# Altium PCB BBB_ADC7_inputs_with_mux_Ver1 Rev1.PcbDoc (part 2 of 2)
Units mm, origin at the board's own origin, x right, y up, seen from the top; angles counter-clockwise.
Board outline 219.96 x 100 mm, 2 copper layers (TopLayer, BottomLayer), stack 1.571 mm thick; 181 components, 118 nets, 709 pads, 266 vias.
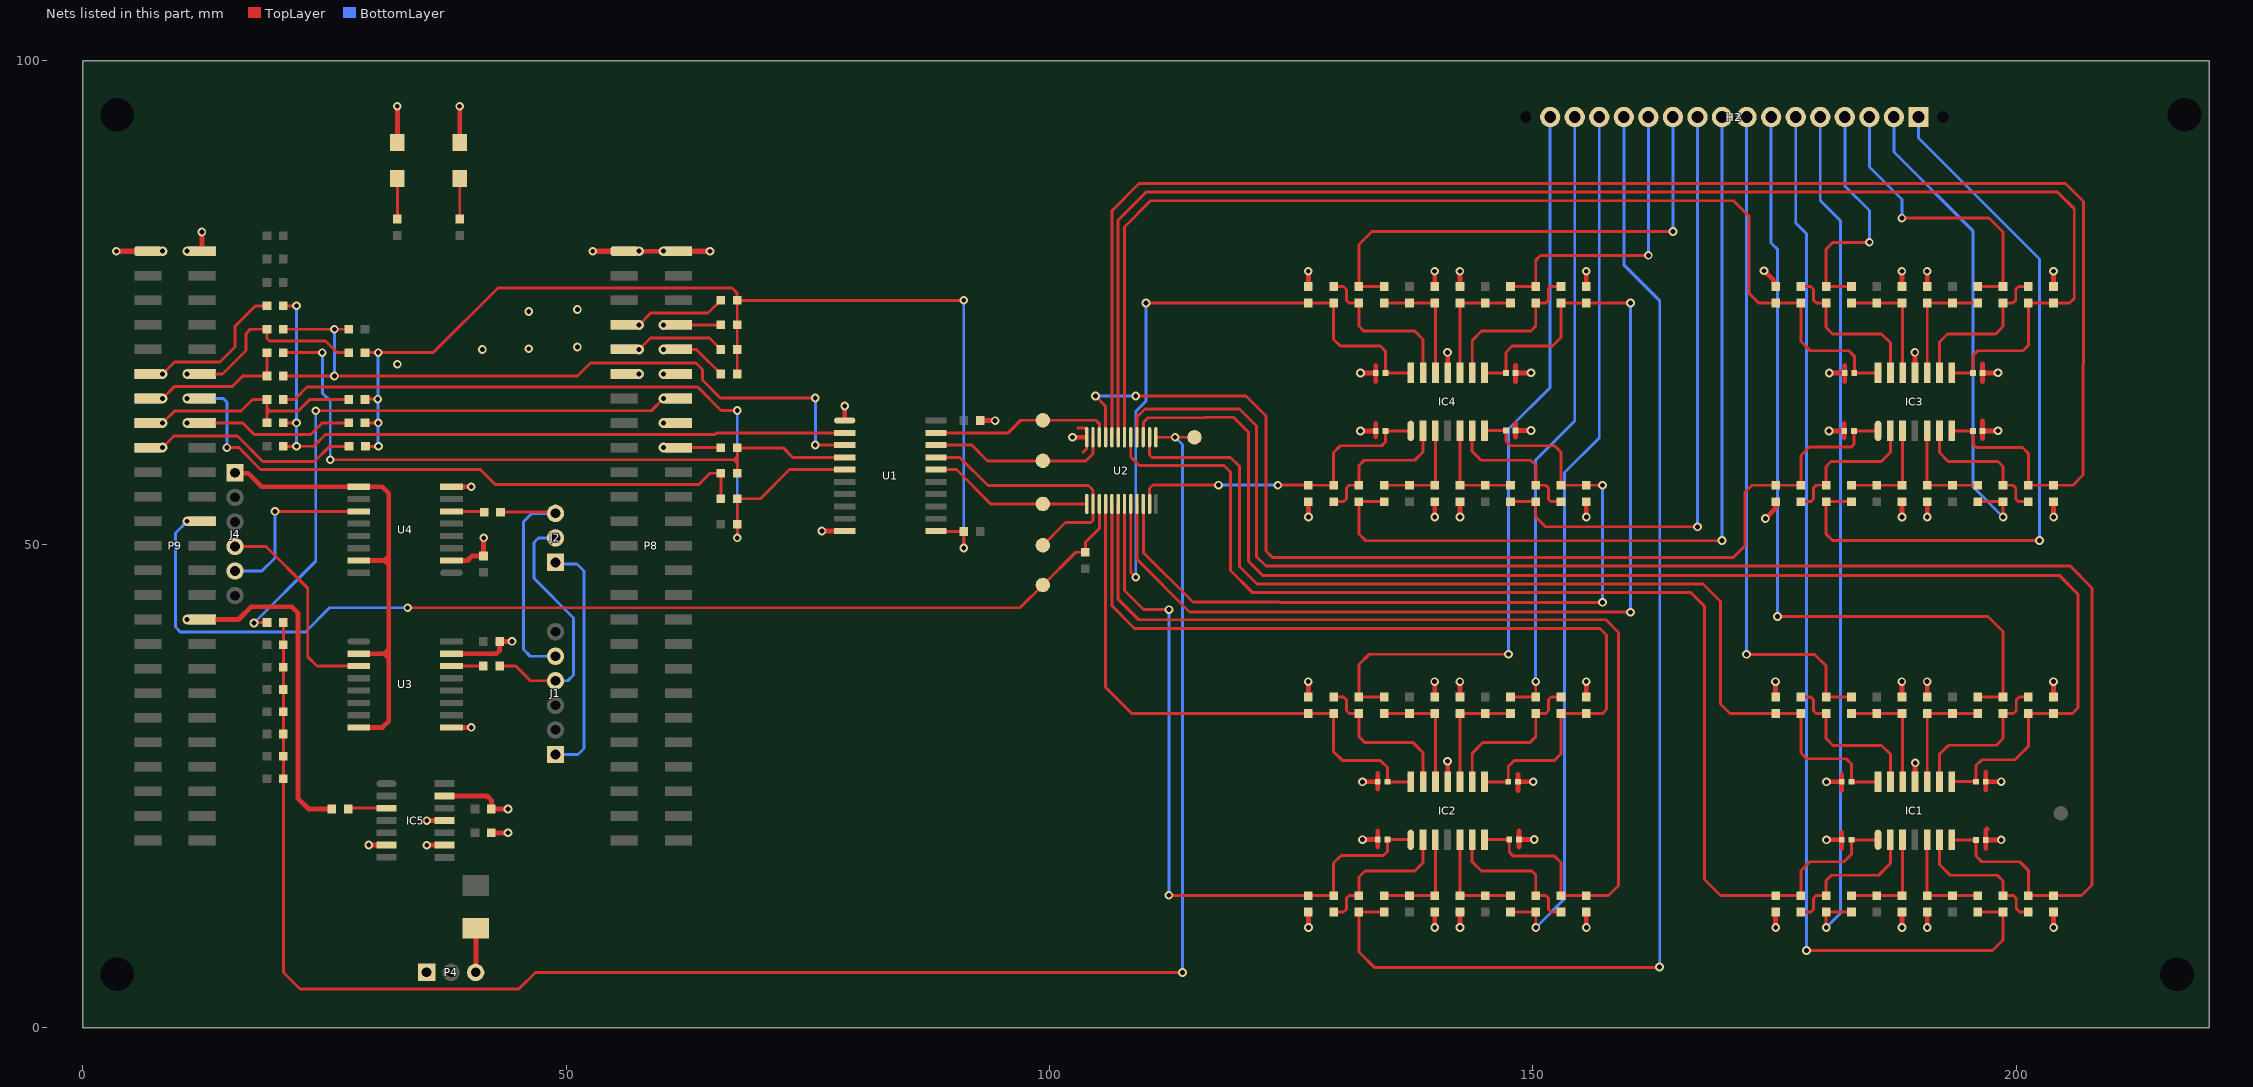
[diagram p2: the nets of this part, all layers, seen from the top]

## Via types
v1: diameter 0.9, hole 0.5, TopLayer to BottomLayer, tented both sides, 166 vias
v2: diameter 1.016, hole 0.508, TopLayer to BottomLayer, 100 vias

## Nets (pads, with @x,y where several pads share a name; then routed paths per layer and width w, separated by ;. In a path a pad name is that pad's centre, name@x,y a point inside that pad or via, vN(x,y) a via of type N, cw(c..) or ccw(c..) an arc to the next point about the centre after c; other vN are vias at no path point) (continued)
BBB_GND: C1.2 C2.2 C3.2 C4.2 C5.2 C6.2 C7.2 C8.2 C9.2 C10.2 C11.2 C12.2 C13.2 C14.2 C15.2 C16.2 C17.2 C18.2 C19.2 C20.2 C21.2 IC1.11 IC2.11 IC3.11 IC4.11 IC5.6 IC5.9 IC5.11 IC5.13 LED1.K LED2.K P4.1 P8.1 P8.2 P9.1 P9.2 R1.2 R6.2 R7.2 R11.2 R12.2 R17.2 R18.2 R22.2 R25.2 R27.2 R33.2 R35.2 R45.2 R46.2 R47.2 R48.2 R49.2 R50.2 R51.2 R52.2 R57.1 R62.1 R63.1 R68.2 R69.1 R74.1 R75.1 R80.2 R84.1 R85.1 R92.1 R93.1 U1.1 U1.10 U2.12 U3.9 U3.15 U4.2 U4.8 | length 180
  TopLayer w0.3: 102.93,61.975 102.958,62.004 103.504,62.004 ; 103.475,59.51 103.855,59.889 U2.12@103.855,61.059 103.855,61.654 ccw(c103.504,61.654) 103.504,62.004 ; U2.12@103.868,61.943 103.806,62.004 103.504,62.004 ; v1(126.769,35.777) v1@126.778,35.769 ; v1(126.769,78.233) v1@126.778,78.225 ; v1@126.778,10.358 v1(126.786,10.35) ; v1@126.778,52.814 v1(126.786,52.806) ; v1(132.167,61.704) v1@132.175,61.712 ; v1(132.167,67.711) v1@132.175,67.719 ; v1(132.372,19.436) v1@132.381,19.444 ; v1(132.372,25.408) v1@132.381,25.416 ; v1(139.839,35.777) v1@139.847,35.769 ; v1(139.839,78.233) v1@139.847,78.225 ; v1@139.847,10.358 v1(139.855,10.35) ; v1@139.847,52.814 v1(139.855,52.806) ; v1(142.453,35.777) v1@142.461,35.769 ; v1(142.453,78.233) v1@142.461,78.225 ; v1@142.461,10.358 v1(142.469,10.35) ; v1@142.461,52.814 v1(142.469,52.806) ; v1@149.795,61.748 v1(149.803,61.756) ; v1@149.795,67.719 v1(149.803,67.727) ; v1@150.037,25.416 v1(150.045,25.424) ; v1@150.137,19.444 v1(150.145,19.453) ; v1(155.522,35.777) v1@155.53,35.769 ; v1(155.522,78.233) v1@155.53,78.225 ; v1@155.53,10.358 v1(155.539,10.35) ; v1@155.53,52.814 v1(155.539,52.806) ; v1(175.106,35.777) v1@175.114,35.769 ; v1@175.114,10.358 v1(175.122,10.35) ; v1(180.367,19.408) v1@180.375,19.416 ; v1(180.367,25.408) v1@180.375,25.416 ; v1(180.628,61.711) v1@180.637,61.719 ; v1(180.667,67.704) v1@180.675,67.712 ; v1(188.175,35.777) v1@188.183,35.769 ; v1(188.175,78.233) v1@188.183,78.225 ; v1@188.183,10.358 v1(188.192,10.35) ; v1@188.183,52.814 v1(188.192,52.806) ; v1(190.789,35.777) v1@190.797,35.769 ; v1(190.789,78.233) v1@190.797,78.225 ; v1@190.797,10.358 v1(190.806,10.35) ; v1@190.797,52.814 v1(190.806,52.806) ; v1@198.106,61.719 v1(198.114,61.727) ; v1@198.106,67.719 v1(198.114,67.727) ; v1@198.437,19.402 v1(198.445,19.411) ; v1@198.437,25.428 v1(198.445,25.437) ; v1(203.859,35.777) v1@203.867,35.769 ; v1(203.859,78.233) v1@203.867,78.225 ; v1@203.867,10.358 v1(203.875,10.35) ; v1@203.867,52.814 v1(203.875,52.806)
  TopLayer w0.5: v1(12.313,82.296) 12.325,82.284 P9.2@12.325,80.305 ; v1@29.592,18.877 IC5.6@31.417,18.877 ; v1(32.524,95.3) 32.537,95.286 LED1.K@32.537,91.562 ; v1@35.592,18.867 IC5.9@37.417,18.867 ; v1@35.592,21.407 IC5.11@37.417,21.407 ; IC5.13@37.417,23.947 41.813,23.947 42.266,23.495 C20.2@42.266,22.606 v1(43.994,22.606) ; U3.9@38.139,31.039 40.164,31.039 v1(40.175,31.05) ; U3.15@38.139,38.659 42.786,38.659 43.116,38.989 C18.2@43.116,39.929 44.384,39.929 v1(44.399,39.944) ; U4.2@38.139,48.311 39.796,48.311 40.267,48.782 C19.2@41.456,48.782 41.456,50.631 v1(41.475,50.65) ; U4.8@38.139,55.931 40.164,55.931 v1(40.175,55.942) ; v1(38.982,95.3) 38.996,95.286 LED2.K@38.996,91.562 ; C21.2@42.266,20.137 43.984,20.137 v1(43.994,20.147) ; P8.1@56.001,80.305 v2(57.531,80.305) v2(60.071,80.305) P8.2@61.601,80.305 ; v1(76.45,51.358) U1.10@78.812,51.358 ; U1.1@78.812,62.788 78.812,64.287 v1(78.825,64.3) ; C17.2@92.835,62.788 94.362,62.788 v1(94.375,62.775) ; v1(102.374,61.059) U2.12@103.75,61.059 ; v1@126.778,10.358 R69.1@126.778,11.939 ; R12.2@126.778,34.188 v1@126.778,35.769 ; v1@126.778,52.814 R51.2@126.778,54.395 ; R47.2@126.778,76.644 v1@126.778,78.225 ; v1@132.175,61.712 C9.2@133.756,61.712 ; v1@132.175,67.719 C12.2@133.756,67.719 ; v1@132.381,19.444 C13.2@133.962,19.444 ; v1@132.381,25.416 C16.2@133.962,25.416 ; 133.756,61.075 C9.2@133.756,61.712 ; 133.756,62.472 C9.2@133.756,61.712 ; 133.756,66.833 C12.2@133.756,67.719 ; 133.756,68.48 C12.2@133.756,67.719 ; 133.962,18.684 C13.2@133.962,19.444 ; 133.962,20.331 C13.2@133.962,19.444 ; 133.962,24.655 C16.2@133.962,25.416 ; 133.962,26.302 C16.2@133.962,25.416 ; v1@139.847,10.358 R74.1@139.847,11.939 ; R17.2@139.847,34.188 v1@139.847,35.769 ; v1@139.847,52.814 R92.1@139.847,54.395 ; R33.2@139.847,76.644 v1@139.847,78.225 ; v1(141.181,27.537) 141.191,27.527 IC2.11@141.191,25.416 ; v1(141.181,69.84) 141.191,69.83 IC4.11@141.191,67.719 ; v1@142.461,10.358 R75.1@142.461,11.939 ; R18.2@142.461,34.188 v1@142.461,35.769 ; v1@142.461,52.814 R93.1@142.461,54.395 ; R35.2@142.461,76.644 v1@142.461,78.225 ; 148.214,61.1 C10.2@148.214,61.748 ; 148.214,62.508 C10.2@148.214,61.748 ; 148.214,66.833 C11.2@148.214,67.719 ; 148.214,68.48 C11.2@148.214,67.719 ; 148.456,24.53 C15.2@148.456,25.416 ; 148.456,26.177 C15.2@148.456,25.416 ; 148.556,18.684 C14.2@148.556,19.444 ; 148.556,20.331 C14.2@148.556,19.444 ; v1@149.795,61.748 C10.2@148.214,61.748 ; v1@149.795,67.719 C11.2@148.214,67.719 ; v1@150.037,25.416 C15.2@148.456,25.416 ; v1@150.137,19.444 C14.2@148.556,19.444 ; v1@155.53,10.358 R80.2@155.53,11.939 ; R22.2@155.53,34.188 v1@155.53,35.769 ; v1@155.53,52.814 R52.2@155.53,54.395 ; R48.2@155.53,76.644 v1@155.53,78.225 ; v1(173.916,78.277) 174.914,77.279 174.914,76.844 R45.2@175.114,76.644 ; v1(174.054,52.644) 175.114,53.704 R49.2@175.114,54.395 R49.2@174.979,54.26 ; v1@175.114,10.358 R57.1@175.114,11.939 ; R1.2@175.114,34.188 v1@175.114,35.769 ; v1@180.375,19.416 C5.2@181.956,19.416 ; v1@180.375,25.416 C8.2@181.956,25.416 ; v1@180.637,61.719 C1.2@182.218,61.719 ; v1@180.675,67.712 C4.2@182.256,67.712 ; 181.956,18.53 C5.2@181.956,19.416 ; 181.956,20.177 C5.2@181.956,19.416 ; 181.956,24.53 C8.2@181.956,25.416 ; 181.956,26.177 C8.2@181.956,25.416 ; 182.218,60.975 C1.2@182.218,61.719 ; 182.218,62.48 C1.2@182.218,61.719 ; 182.256,66.826 C4.2@182.256,67.712 ; 182.256,68.472 C4.2@182.256,67.712 ; v1@188.183,10.358 R62.1@188.183,11.939 ; R6.2@188.183,34.188 v1@188.183,35.769 ; v1@188.183,52.814 R84.1@188.183,54.395 ; R25.2@188.183,76.644 v1@188.183,78.225 ; v1(189.517,69.84) 189.527,69.83 IC3.11@189.527,67.719 ; IC1.11@189.527,25.416 189.527,27.352 v1(189.55,27.375) ; v1@190.797,10.358 R63.1@190.797,11.939 ; R7.2@190.797,34.188 v1@190.797,35.769 ; v1@190.797,52.814 R85.1@190.797,54.395 ; R27.2@190.797,76.644 v1@190.797,78.225 ; 196.525,60.925 C2.2@196.525,61.719 ; 196.525,62.725 C2.2@196.525,61.719 ; 196.525,66.833 C3.2@196.525,67.719 ; 196.525,68.65 C3.2@196.525,67.719 ; 196.856,18.516 C6.2@196.856,19.402 ; 196.856,24.542 C7.2@196.856,25.428 ; 196.856,26.425 C7.2@196.856,25.428 ; 196.983,20.549 196.856,20.422 C6.2@196.856,19.402 ; v1@198.106,61.719 C2.2@196.525,61.719 ; v1@198.106,67.719 C3.2@196.525,67.719 ; v1@198.437,19.402 C6.2@196.856,19.402 ; v1@198.437,25.428 C7.2@196.856,25.428 ; v1@203.867,10.358 R68.2@203.867,11.939 ; R11.2@203.867,34.188 v1@203.867,35.769 ; v1@203.867,52.814 R50.2@203.867,54.395 ; R46.2@203.867,76.644 v1@203.867,78.225
  TopLayer w0.6: v1(3.473,80.305) P9.1@6.725,80.305 P9.1@6.755,80.305 ; v1(52.749,80.305) P8.1@56.001,80.305 ; P8.2@61.601,80.305 v1(64.883,80.305)
  other v1: 35.584,18.859 29.584,18.869 35.584,21.399 32.537,68.613 41.33,70.145 46.131,70.215 51.161,70.399 46.131,74.066 51.161,74.267
  other v2: 8.255,80.305 10.795,80.305
BBB_SEL0: R107.2 R108.2 R109.2 U1.2 | length 75.9
  TopLayer w0.3: R109.2@20.746,60.122 22.025,60.122 22.028,60.125 v1(22.1,60.125) 23.889,60.125 25.104,61.339 65.389,61.339 65.568,61.518 U1.2@78.812,61.518 ; R108.2@20.746,62.543 22.025,62.543 22.028,62.546 v1(22.1,62.546) ; R107.2@20.746,74.651 22.025,74.651 22.028,74.654 v1(22.1,74.654)
  BottomLayer w0.3: v1(22.1,60.125) v1(22.1,62.546) v1(22.1,74.654)
BBB_SEL1: R110.2 R111.2 R112.2 U1.3 | length 77.4
  TopLayer w0.3: R110.2@20.746,67.386 v1(26.025,67.386) 51.161,67.386 52.518,68.743 63.432,68.743 64.1,68.075 64.1,66.973 65.948,65.125 v1(75.775,65.125) ; R111.2@20.746,72.229 R112.2@27.689,72.229 ; v1(75.775,60.248) U1.3@78.812,60.248
  BottomLayer w0.3: v1(26.025,67.386) v1(26.025,72.225) ; v1(75.775,60.248) v1(75.775,65.125)
BBB_SEL2: R113.2 R114.2 R115.2 U1.4 | length 72.3
  TopLayer w0.3: R113.2@20.746,69.808 24.772,69.808 v1(24.775,69.811) ; v1(25.6,58.725) 25.608,58.733 67.36,58.733 ; R115.2@67.703,57.333 67.703,59.076 ; 67.703,58.39 67.36,58.733 ; U1.4@78.812,58.978 73.447,58.978 72.46,59.965 R114.2@67.703,59.965 67.703,59.076 ; 67.36,58.733 67.703,59.076
  BottomLayer w0.3: v1(24.775,69.811) 24.775,65.65 25.6,64.825 v1(25.6,58.725)
BBB_SEL3: R116.2 R117.2 R118.2 U1.5 | length 78.1
  TopLayer w0.3: R116.2@20.746,64.965 21.915,64.965 23.2,66.25 63.604,66.25 66.029,63.825 v1(67.7,63.825) ; v1(67.703,50.648) R118.2@67.703,52.07 R117.2@67.703,54.702 70.102,54.702 73.108,57.708 U1.5@78.812,57.708
  BottomLayer w0.3: v1(67.7,63.825) 67.703,63.822 v1(67.703,50.648)
EN6595_2: P8.8 R120.2 | length 4.4
  TopLayer w0.3: P8.8@61.601,72.685 R120.2@66.003,72.685
  other v2: 60.071,72.685
IN0: H2.1 R81.1 R82.1 | length 77.3
  TopLayer w0.3: R82.1@182.956,54.395 R81.1@180.342,54.395 180.342,51.033 181.007,50.368 v1(202.4,50.368)
  BottomLayer w0.3: H2.1@189.89,94.183 189.89,92.01 202.4,79.5 v1(202.4,50.368)
IN1: H2.2 R87.1 R88.1 | length 50.3
  TopLayer w0.3: R87.1@196.025,54.395 R88.1@198.639,54.395 198.639,52.814 v1(198.647,52.806)
  BottomLayer w0.3: H2.2@187.35,94.183 187.35,90.575 195.55,82.375 195.55,55.903 v1(198.647,52.806)
IN2: H2.3 R28.2 R30.1 | length 31.2
  TopLayer w0.3: v1(188.175,83.725) 197.2,83.725 198.639,82.286 R30.1@198.639,76.644 R28.2@196.025,76.644
  BottomLayer w0.3: H2.3@184.81,94.183 184.81,89.015 188.175,85.65 v1(188.175,83.725)
IN3: H2.4 R23.2 R24.2 | length 25.3
  TopLayer w0.3: R24.2@182.956,76.644 R23.2@180.342,76.644 180.342,78.225 180.334,78.233 180.334,80.509 181.05,81.225 v1(184.81,81.225)
  BottomLayer w0.3: H2.4@182.27,94.183 182.27,87.055 184.81,84.515 v1(184.81,81.225)
IN4: H2.5 R59.1 R60.1 | length 89.5
  TopLayer w0.3: v1(180.35,10.35) 180.342,10.358 R59.1@180.342,11.939 R60.1@182.956,11.939
  BottomLayer w0.3: H2.5@179.73,94.183 179.73,85.545 181.825,83.45 181.825,11.825 v1(180.35,10.35)
IN5: H2.6 R65.1 R66.1 | length 113
  TopLayer w0.3: v1(178.3,7.975) 197.55,7.975 198.639,9.064 R66.1@198.639,11.939 R65.1@196.025,11.939
  BottomLayer w0.3: H2.6@177.19,94.183 177.19,83.222 178.325,82.088 178.325,8 v1(178.3,7.975)
IN6: H2.7 R8.2 R9.1 | length 85.2
  TopLayer w0.3: v1(175.3,42.525) 197.075,42.525 198.639,40.961 198.639,34.39 198.437,34.188 R8.2@196.025,34.188
  BottomLayer w0.3: H2.7@174.65,94.183 174.65,81.15 175.3,80.5 v1(175.3,42.525)
IN7: H2.8 R3.2 R4.2 | length 70.2
  TopLayer w0.3: v1(172.1,38.6) 179.15,38.6 180.342,37.408 R3.2@180.342,34.188 R4.2@182.956,34.188
  BottomLayer w0.3: v1(172.1,38.6) 172.11,38.61 H2.8@172.11,94.183
IN8: H2.9 R89.1 R90.1 | length 87.6
  TopLayer w0.3: R90.1@134.619,54.395 R89.1@132.005,54.395 132.005,51.059 132.713,50.351 169.551,50.351 v1(169.575,50.375)
  BottomLayer w0.3: H2.9@169.57,94.183 169.57,50.38 v1(169.575,50.375)
IN9: H2.10 R95.1 R96.1 | length 63.7
  TopLayer w0.3: R95.1@147.689,54.395 R96.1@150.303,54.395 150.303,52.814 151.316,51.8 167.016,51.8 v1(167.025,51.791)
  BottomLayer w0.3: v1@167.03,51.791 H2.10@167.03,94.183
IN10: H2.11 R31.2 R32.2 | length 51.9
  TopLayer w0.3: R32.2@134.619,76.644 R31.2@132.005,76.644 132.005,81.005 133.35,82.35 v1(164.5,82.35)
  BottomLayer w0.3: H2.11@164.49,94.183 164.49,82.36 v1(164.5,82.35)
IN11: H2.12 R36.2 R38.1 | length 31.5
  TopLayer w0.3: R36.2@147.689,76.644 R38.1@150.303,76.644 150.303,79.378 150.8,79.875 v1(161.95,79.875)
  BottomLayer w0.3: v1(161.95,79.875) H2.12@161.95,94.183
IN12: H2.13 R71.1 R72.1 | length 128
  TopLayer w0.3: R72.1@134.619,11.939 R71.1@132.005,11.939 132.005,7.82 133.6,6.225 163.075,6.225 v1(163.1,6.25)
  BottomLayer w0.3: H2.13@159.41,94.183 159.41,78.895 163.125,75.18 163.125,6.275 v1(163.1,6.25)
IN13: H2.14 R77.1 R78.1 | length 90.8
  TopLayer w0.3: R77.1@147.689,11.939 R78.1@150.303,11.939 150.303,10.358 v1(150.311,10.35)
  BottomLayer w0.3: v1(150.311,10.35) 153.276,13.315 153.276,57.399 156.87,60.994 H2.14@156.87,94.183
IN14: H2.15 R19.2 R20.1 | length 64.3
  TopLayer w0.3: R19.2@147.689,34.188 R20.1@150.303,34.188 150.303,35.769 v1(150.294,35.777)
  BottomLayer w0.3: v1(150.294,35.777) 150.294,58.718 154.33,62.754 H2.15@154.33,94.183
IN15: H2.16 R14.2 R15.2 | length 79.2
  TopLayer w0.3: R15.2@134.619,34.188 R14.2@132.005,34.188 132.005,37.543 133.073,38.61 v1(147.485,38.61)
  BottomLayer w0.3: v1(147.485,38.61) 147.485,61.91 151.79,66.215 H2.16@151.79,94.183
LATCH1: R97.1 R119.1 R120.1 R121.1 R122.1 R123.1 R126.1 R128.1 R129.1 U1.11 | length 117.4
  TopLayer w0.3: R126.1@29.2,64.965 29.163,65.001 30.442,65.001 30.445,65.004 v1(30.517,65.004) ; R123.1@29.2,69.808 30.479,69.808 30.482,69.811 v1(30.554,69.811) 36.257,69.811 42.946,76.5 67.141,76.5 67.692,75.95 67.692,75.236 R119.1@67.703,75.225 ; R129.1@29.236,60.122 30.515,60.122 30.518,60.125 v1(30.59,60.125) ; R128.1@29.236,62.507 R128.1@29.2,62.543 30.479,62.543 30.482,62.546 v1(30.554,62.546) ; R122.1@67.703,67.605 R121.1@67.703,70.145 R120.1@67.703,72.685 R119.1@67.703,75.225 ; U1.11@88.264,51.358 88.305,51.317 R97.1@91.135,51.317 91.135,49.61 v1(91.125,49.6) ; v1(91.135,75.225) R119.1@67.703,75.225
  BottomLayer w0.3: v1(30.554,69.811) v1(30.554,62.546) 30.554,60.161 v1(30.59,60.125) ; v1(91.125,49.6) 91.125,75.216 v1(91.135,75.225)
NetD03_1: D03.1 P4.3 | length 4.5
  TopLayer w0.5: P4.3@40.665,5.729 D03.1@40.665,10.261
NetIC1_2: IC1.2 R58.1 R59.2 | length 15.4
  TopLayer w0.3: R58.1@177.728,11.939 178.756,11.939 179.025,12.208 179.025,13.35 179.314,13.639 R59.2@180.342,13.639 180.342,15.197 180.895,15.75 185.776,15.75 186.977,16.951 IC1.2@186.977,19.416
NetIC1_3: IC1.3 R60.2 R61.2 R62.2 | length 11
  TopLayer w0.3: R60.2@182.956,13.639 R61.2@185.57,13.639 R62.2@188.183,13.639 188.247,13.703 IC1.3@188.247,19.416
NetIC1_5: IC1.5 R63.2 R64.2 R65.2 | length 11
  TopLayer w0.3: IC1.5@190.787,19.416 190.787,13.65 R63.2@190.797,13.639 R64.2@193.411,13.639 R65.2@196.025,13.639
NetIC1_6: IC1.6 R66.2 R67.2 | length 15.3
  TopLayer w0.3: IC1.6@192.057,19.416 192.057,16.871 193.178,15.75 198.04,15.75 198.639,15.151 R66.2@198.639,13.639 199.713,13.639 200.003,13.35 200.003,12.301 200.364,11.939 R67.2@201.253,11.939
NetIC1_9: IC1.9 R9.2 R10.2 | length 16.7
  TopLayer w0.3: IC1.9@192.067,25.416 192.067,28.267 193,29.2 197.956,29.2 198.639,29.883 R9.2@198.639,32.488 199.721,32.488 200.003,32.769 200.003,33.891 200.3,34.188 R10.2@201.253,34.188
NetIC1_10: IC1.10 R7.1 R8.1 R39.1 | length 12.3
  TopLayer w0.3: IC1.10@190.797,25.416 190.797,32.488 R39.1@193.411,32.488 R8.1@196.025,32.488
NetIC1_12: IC1.12 R4.1 R5.1 R6.1 | length 12.3
  TopLayer w0.3: R4.1@182.956,32.488 R5.1@185.57,32.488 R6.1@188.183,32.488 188.257,32.414 IC1.12@188.257,25.416
NetIC1_13: IC1.13 R2.2 R3.1 | length 16.8
  TopLayer w0.3: R2.2@177.728,34.188 178.755,34.188 179.045,33.899 179.045,32.757 179.314,32.488 R3.1@180.342,32.488 180.342,29.883 181.05,29.175 186.075,29.175 186.987,28.263 IC1.13@186.987,25.416
NetIC2_2: IC2.2 R70.1 R71.2 | length 15.5
  TopLayer w0.3: R70.1@129.391,11.939 130.419,11.939 130.708,12.229 130.708,13.37 130.977,13.639 R71.2@132.005,13.639 132.005,15.555 132.625,16.175 137.775,16.175 138.641,17.041 IC2.2@138.641,19.416
NetIC2_3: IC2.3 R72.2 R73.2 R74.2 | length 11
  TopLayer w0.3: R72.2@134.619,13.639 R73.2@137.233,13.639 R74.2@139.847,13.639 139.911,13.703 IC2.3@139.911,19.416
NetIC2_5: IC2.5 R75.2 R76.2 R77.2 | length 11
  TopLayer w0.3: IC2.5@142.451,19.416 142.451,13.65 R75.2@142.461,13.639 R76.2@145.075,13.639 R77.2@147.689,13.639
NetIC2_6: IC2.6 R78.2 R79.2 | length 15.6
  TopLayer w0.3: IC2.6@143.721,19.416 143.721,17.129 144.675,16.175 149.903,16.175 150.303,15.775 R78.2@150.303,13.639 151.35,13.639 151.619,13.37 151.619,12.208 151.888,11.939 R79.2@152.916,11.939
NetIC2_9: IC2.9 R20.2 R21.2 | length 16.6
  TopLayer w0.3: IC2.9@143.731,25.416 143.731,28.378 144.853,29.5 149.725,29.5 150.3,30.075 150.3,32.485 R20.2@150.303,32.488 151.33,32.488 151.619,32.777 151.619,33.919 151.888,34.188 R21.2@152.916,34.188
NetIC2_10: IC2.10 R18.1 R19.1 R40.1 | length 12.3
  TopLayer w0.3: IC2.10@142.461,25.416 142.461,32.488 R40.1@145.075,32.488 R19.1@147.689,32.488
NetIC2_12: IC2.12 R15.1 R16.1 R17.1 | length 12.3
  TopLayer w0.3: R15.1@134.619,32.488 R16.1@137.233,32.488 R17.1@139.847,32.488 139.921,32.414 IC2.12@139.921,25.416
NetIC2_13: IC2.13 R13.2 R14.1 | length 16.7
  TopLayer w0.3: R13.2@129.391,34.188 130.419,34.188 130.708,33.899 130.708,32.777 130.998,32.488 R14.1@132.005,32.488 132.014,32.48 132.014,30.075 132.589,29.5 137.578,29.5 138.651,28.427 IC2.13@138.651,25.416
NetIC3_2: IC3.2 R53.2 R81.2 | length 15.4
  TopLayer w0.3: R53.2@177.728,54.395 178.755,54.395 179.045,54.684 179.045,55.826 179.314,56.095 R81.2@180.342,56.095 180.342,58.042 180.85,58.55 186.05,58.55 186.977,59.477 IC3.2@186.977,61.719
NetIC3_3: IC3.3 R82.2 R83.2 R84.2 | length 10.9
  TopLayer w0.3: R82.2@182.956,56.095 R83.2@185.57,56.095 R84.2@188.183,56.095 188.247,56.159 IC3.3@188.247,61.719
NetIC3_5: IC3.5 R85.2 R86.2 R87.2 | length 10.9
  TopLayer w0.3: IC3.5@190.787,61.719 190.787,56.105 R85.2@190.797,56.095 R86.2@193.411,56.095 R87.2@196.025,56.095
NetIC3_6: IC3.6 R54.1 R88.2 | length 15.4
  TopLayer w0.3: IC3.6@192.057,61.719 192.057,59.468 192.975,58.55 198.131,58.55 198.639,58.042 R88.2@198.639,56.095 199.666,56.095 199.956,55.806 199.956,54.664 200.225,54.395 R54.1@201.253,54.395
NetIC3_9: IC3.9 R30.2 R42.1 | length 16.8
  TopLayer w0.3: IC3.9@192.067,67.719 192.067,70.912 192.905,71.75 197.875,71.75 198.639,72.514 R30.2@198.639,74.944 199.666,74.944 199.956,75.233 199.956,76.375 200.225,76.644 R42.1@201.253,76.644
NetIC3_10: IC3.10 R27.1 R28.1 R29.1 | length 12.5
  TopLayer w0.3: IC3.10@190.797,67.719 R27.1@190.797,74.944 R29.1@193.411,74.944 R28.1@196.025,74.944
NetIC3_12: IC3.12 R24.1 R25.1 R26.1 | length 12.5
  TopLayer w0.3: R24.1@182.956,74.944 R26.1@185.57,74.944 R25.1@188.183,74.944 188.257,74.87 IC3.12@188.257,67.719
NetIC3_13: IC3.13 R23.1 R41.2 | length 16.9
  TopLayer w0.3: R41.2@177.728,76.644 178.756,76.644 179.045,76.355 179.045,75.233 179.334,74.944 R23.1@180.342,74.944 180.342,72.408 181,71.75 186.081,71.75 186.987,70.844 IC3.13@186.987,67.719
NetIC4_2: IC4.2 R55.2 R89.2 | length 15.4
  TopLayer w0.3: R55.2@129.391,54.395 130.419,54.395 130.708,54.684 130.708,55.826 130.977,56.095 R89.2@132.005,56.095 132.005,58.13 132.55,58.675 137.775,58.675 138.641,59.541 IC4.2@138.641,61.719
NetIC4_3: IC4.3 R90.2 R91.2 R92.2 | length 10.9
  TopLayer w0.3: R90.2@134.619,56.095 R91.2@137.233,56.095 R92.2@139.847,56.095 139.911,56.159 IC4.3@139.911,61.719
NetIC4_5: IC4.5 R93.2 R94.2 R95.2 | length 10.9
  TopLayer w0.3: IC4.5@142.451,61.719 142.451,56.105 R93.2@142.461,56.095 R94.2@145.075,56.095 R95.2@147.689,56.095
NetIC4_6: IC4.6 R56.1 R96.2 | length 15.4
  TopLayer w0.3: IC4.6@143.721,61.719 143.721,59.579 144.625,58.675 149.766,58.675 150.311,58.13 150.311,56.103 R96.2@150.303,56.095 151.331,56.095 151.6,55.826 151.6,54.684 151.889,54.395 R56.1@152.916,54.395
NetIC4_9: IC4.9 R38.2 R44.1 | length 17
  TopLayer w0.3: IC4.9@143.731,67.719 143.731,71.081 144.7,72.05 149.8,72.05 150.303,72.553 R38.2@150.303,74.944 151.331,74.944 151.6,75.213 151.6,76.453 151.79,76.644 R44.1@152.916,76.644
NetIC4_10: IC4.10 R35.1 R36.1 R37.1 | length 12.5
  TopLayer w0.3: IC4.10@142.461,67.719 R35.1@142.461,74.944 R37.1@145.075,74.944 R36.1@147.689,74.944
NetIC4_12: IC4.12 R32.1 R33.1 R34.1 | length 12.5
  TopLayer w0.3: R32.1@134.619,74.944 R34.1@137.233,74.944 R33.1@139.847,74.944 139.921,74.87 IC4.12@139.921,67.719
NetIC4_13: IC4.13 R31.1 R43.2 | length 17
  TopLayer w0.3: R43.2@129.391,76.644 130.419,76.644 130.708,76.354 130.708,75.213 130.977,74.944 R31.1@132.005,74.944 132.005,72.553 132.508,72.05 137.775,72.05 138.651,71.174 IC4.13@138.651,67.719
NetIC5_3: IC5.3 R130.2 | length 4
  TopLayer w0.3: R130.2@27.444,22.606 27.525,22.687 IC5.3@31.417,22.687
NetJ4_4: J4.4 U3.3 | length 22.1
  TopLayer w0.3: J4.4@15.748,49.759 18.941,49.759 23.269,45.431 23.269,38.346 24.226,37.389 U3.3@28.539,37.389
NetJ4_5: J4.5 U4.11 | length 18.2
  TopLayer w0.3: v1(19.875,53.391) U4.11@28.539,53.391
  BottomLayer w0.3: J4.5@15.748,47.219 18.519,47.219 19.875,48.575 v1(19.875,53.391)
NetLED1_A: LED1.A R131.1 | length 4.2
  TopLayer w0.3: R131.1@32.537,83.629 LED1.A@32.537,87.812
NetLED2_A: LED2.A R132.1 | length 4.2
  TopLayer w0.3: R132.1@38.996,83.629 LED2.A@38.996,87.812
NetR133_1: R133.1 U3.14 | length 3.3
  TopLayer w0.3: U3.14@38.139,37.389 R133.1@41.416,37.389
NetR134_1: R134.1 U4.6 | length 3.4
  TopLayer w0.3: U4.6@38.139,53.391 41.441,53.391 R134.1@41.517,53.315
OCO_ISO: P8.14 R99.1 | length 62.4
  TopLayer w0.3: v1(17.715,41.851) 17.757,41.894 R99.1@19.046,41.894 ; v1(24.1,63.8) 58.806,63.8 v2(60.071,65.065)
  BottomLayer w0.3: v1(17.715,41.851) 24.1,48.237 v1(24.1,63.8)
P8_7: P8.7 R119.2 | length 9.5
  TopLayer w0.3: v2(57.531,72.685) 58.746,73.9 64.677,73.9 R119.2@66.003,75.225
P8_9: P8.9 R121.2 | length 9.4
  TopLayer w0.3: v2(57.531,70.145) 58.711,71.325 64.823,71.325 R121.2@66.003,70.145
P8_10: P8.10 R122.2 | length 5.5
  TopLayer w0.3: P8.10@61.601,70.145 63.463,70.145 R122.2@66.003,67.605
  other v2: 60.071,70.145
P8_12: P8.12
  other v2: 60.071,67.605
P8_16: P8.16
  other v2: 60.071,62.525
P8_18: P8.18 R114.1 | length 4.4
  TopLayer w0.3: P8.18@61.601,59.985 65.982,59.985 R114.1@66.003,59.965
  other v2: 60.071,59.985
P9-24: P9.24 R98.1 TP0.1 U2.15 | length 114.8
  TopLayer w0.3: v1(33.6,43.419) 96.96,43.419 TP0.1@99.316,45.775 102.706,49.164 R98.1@103.705,49.164 103.705,50.175 105.155,51.625 U2.15@105.155,54.159
  BottomLayer w0.3: v2(10.795,52.365) 9.575,51.145 9.575,41.425 10.075,40.925 23.025,40.925 25.519,43.419 v1(33.6,43.419)
P9_11: P9.11 R107.1 | length 15
  TopLayer w0.3: v2(8.255,67.605) 9.5,68.85 14.191,68.85 15.748,70.407 15.748,72.55 17.848,74.651 R107.1@19.046,74.651
P9_12: P9.12 R111.1 R123.2 | length 19.9
  TopLayer w0.3: P9.12@12.325,67.605 14.462,67.605 16.875,70.019 16.875,71.775 17.329,72.229 R111.1@19.046,72.229 19.046,71.279 19.3,71.025 25.119,71.025 26.336,69.808 R123.2@27.689,69.808
  other v2: 10.795,67.605
P9_13: P9.13 R110.1 R113.1 | length 14.2
  TopLayer w0.3: v2(8.255,65.065) 9.515,66.325 15.475,66.325 16.536,67.386 R110.1@19.046,67.386 R113.1@19.046,69.808
P9_14: P9.14 R115.1 R117.1 | length 63.2
  TopLayer w0.3: v1(14.9,59.985) 16.131,59.985 18.384,57.733 41.117,57.733 42.675,56.175 63.725,56.175 64.883,57.333 R115.1@66.003,57.333 R117.1@66.003,54.702
  BottomLayer w0.3: P9.14@12.355,65.065 14.535,65.065 14.925,64.675 14.925,60.01 v1(14.9,59.985)
  other v2: 10.795,65.065
P9_15: P9.15 R108.1 R116.1 R126.2 | length 23.7
  TopLayer w0.3: v2(8.255,62.525) 9.505,63.775 16.375,63.775 17.565,64.965 R116.1@19.046,64.965 19.046,64.076 ; R108.1@19.046,62.543 19.046,63.474 ; R126.2@27.5,64.965 23.466,64.965 22.277,63.775 19.347,63.775 ; 19.046,63.474 19.046,64.076 ; 19.046,63.474 19.347,63.775 ; 19.046,64.076 19.347,63.775
P9_16: P9.16 R128.2 | length 16.2
  TopLayer w0.3: P9.16@12.325,62.525 16.55,62.525 17.752,61.323 23.548,61.323 24.768,62.543 R128.2@27.5,62.543
  other v2: 10.795,62.525
P9_17: P9.17 R129.2 | length 21.5
  TopLayer w0.3: v2(8.255,59.985) 9.445,61.175 15.996,61.175 18.621,58.55 23.975,58.55 25.547,60.122 R129.2@27.536,60.122
P811: P8.11
  other v2: 57.531,67.605
PC_GND: J4.1 U3.2 U3.8 U4.9 U4.15 | length 52.5
  TopLayer w0.5: J4.1@15.748,57.379 15.8,57.326 17.105,57.326 18.501,55.931 U4.9@28.539,55.931 30.986,55.931 31.65,55.267 31.65,39.104 ; U3.8@28.539,31.039 30.994,31.039 31.65,31.694 31.65,38.213 ; U3.2@28.539,38.659 31.205,38.659 ; U4.15@28.539,48.311 31.205,48.311 ; 31.205,38.659 31.65,39.104 ; 31.205,38.659 31.65,38.213 ; 31.205,48.311 31.65,48.756 31.65,47.865 31.205,48.311 ; 31.65,38.213 31.65,39.104
PIN1: J1.1 J2.1 | length 24.9
  BottomLayer w0.3: J1.1@48.895,28.245 51.22,28.245 51.85,28.875 51.85,47.226 51.126,47.95 49.053,47.95 J2.1@48.895,48.108
PIN2: J1.4 J2.2 R133.2 | length 26.4
  TopLayer w0.3: R133.2@43.116,37.389 44.78,37.389 46.304,35.865 J1.4@48.895,35.865
  BottomLayer w0.3: J1.4@48.895,35.865 50.165,35.865 50.775,36.475 50.775,42.375 46.675,46.475 46.675,50.175 47.148,50.648 J2.2@48.895,50.648
PIN3: J1.5 J2.3 R134.2 | length 26.2
  TopLayer w0.3: R134.2@43.217,53.315 48.768,53.315 J2.3@48.895,53.188
  BottomLayer w0.3: J1.5@48.895,38.405 46.295,38.405 45.6,39.1 45.6,52.325 46.463,53.188 J2.3@48.895,53.188
S0: C1.1 IC3.1 R49.1 R53.1 U2.9 | length 112
  TopLayer w0.3: v1(104.75,65.325) 105.805,64.27 U2.9@105.805,61.059 ; v1(108.925,65.325) 120.325,65.325 122.4,63.25 122.4,49.287 123.051,48.636 170.761,48.636 171.95,49.825 171.95,55.381 172.664,56.095 R49.1@175.114,56.095 R53.1@177.728,56.095 177.728,59.178 178.6,60.05 182.938,60.05 183.218,60.33 C1.1@183.218,61.719 IC3.1@185.707,61.719
  BottomLayer w0.3: v1(104.75,65.325) v1(108.925,65.325)
S1: C2.1 IC3.7 R50.1 R54.2 U2.8 | length 173.3
  TopLayer w0.3: U2.8@106.455,61.059 106.455,84.495 109.267,87.307 205.104,87.307 206.975,85.436 206.975,68.65 206.925,68.6 206.925,57.15 205.87,56.095 R50.1@203.867,56.095 R54.2@201.253,56.095 201.253,59.397 200.665,59.985 195.872,59.985 195.525,60.332 C2.1@195.525,61.719 IC3.7@193.327,61.719
S2: C3.1 IC3.8 R42.2 R46.1 U2.7 | length 152
  TopLayer w0.3: U2.7@107.105,61.059 107.105,83.545 109.971,86.411 204.275,86.411 206,84.686 206,75.425 205.519,74.944 R46.1@203.867,74.944 R42.2@201.253,74.944 201.253,70.553 200.704,70.004 196.025,70.004 195.525,69.504 C3.1@195.525,67.719 IC3.8@193.337,67.719
S3: C4.1 IC3.14 R41.1 R45.1 U2.6 | length 116.2
  TopLayer w0.3: U2.6@107.755,61.059 107.755,82.82 110.46,85.525 170.75,85.525 172.352,83.923 172.352,75.952 173.361,74.944 R45.1@175.114,74.944 R41.1@177.728,74.944 177.728,70.975 178.698,70.004 182.696,70.004 183.256,69.444 C4.1@183.256,67.712 185.7,67.712 IC3.14@185.707,67.719
S4: C5.1 IC1.1 R57.2 R58.2 U2.5 | length 125.5
  TopLayer w0.3: U2.5@108.405,61.059 108.405,59.02 109.275,58.15 118.05,58.15 118.725,57.475 118.725,47.266 120.973,45.018 166.307,45.018 167.75,43.575 167.75,15.3 169.411,13.639 R57.2@175.114,13.639 R58.2@177.728,13.639 177.728,16.228 178.65,17.15 182.191,17.15 182.956,17.915 C5.1@182.956,19.416 IC1.1@185.707,19.416
S5: C6.1 IC1.7 R67.1 R68.1 U2.4 | length 167.5
  TopLayer w0.3: U2.4@109.055,61.059 109.055,63.18 109.87,63.995 119.655,63.995 121.428,62.222 121.428,48.697 122.4,47.725 205.6,47.725 207.85,45.475 207.85,14.75 206.739,13.639 R68.1@203.867,13.639 R67.1@201.253,13.639 201.253,16.261 200.364,17.15 196.445,17.15 195.856,17.739 C6.1@195.856,19.402 195.842,19.416 IC1.7@193.327,19.416
S6: C7.1 IC1.8 R10.1 R11.1 U2.3 | length 144.8
  TopLayer w0.3: U2.3@109.705,61.059 109.705,62.58 110.2,63.075 116.05,63.075 116.1,63.125 119.024,63.125 120.575,61.574 120.575,48.225 122.025,46.775 204.45,46.775 206.375,44.85 206.375,33.05 205.813,32.488 R11.1@203.867,32.488 R10.1@201.253,32.488 201.253,29.078 199.876,27.701 196.457,27.701 195.856,27.1 C7.1@195.856,25.428 193.35,25.428 IC1.8@193.337,25.416
S7: C8.1 IC1.14 R1.1 R2.1 U2.2 | length 107
  TopLayer w0.3: U2.2@110.355,61.059 110.355,59.215 110.591,58.978 118.738,58.978 119.655,58.061 119.655,47.7 121.48,45.875 167.6,45.875 169.411,44.064 169.411,33.464 170.387,32.488 R1.1@175.114,32.488 R2.1@177.728,32.488 177.728,28.397 178.325,27.8 182.425,27.8 182.956,27.269 C8.1@182.956,25.416 IC1.14@185.707,25.416
S8: C9.1 IC4.1 R51.1 R55.1 U2.23 | length 33.8
  TopLayer w0.3: U2.23@110.355,54.159 110.355,55.759 110.714,56.118 117.462,56.118 v1(117.475,56.105) ; v1(123.625,56.1) 126.773,56.1 R51.1@126.778,56.095 R55.1@129.391,56.095 129.391,59.491 130.075,60.175 134.375,60.175 134.756,60.556 C9.1@134.756,61.712 137.363,61.712 IC4.1@137.371,61.719
  BottomLayer w0.3: v1(117.475,56.105) 123.62,56.105 v1(123.625,56.1)
S9: C10.1 IC4.7 R52.1 R56.2 U2.22 | length 84
  TopLayer w0.3: U2.22@109.705,54.159 109.705,49.15 114.833,44.021 123.785,44.021 123.831,43.975 v1(157.2,43.975) ; IC4.7@144.991,61.719 145.019,61.748 C10.1@147.214,61.748 147.214,60.65 147.689,60.175 152.25,60.175 152.916,59.509 R56.2@152.916,56.095 R52.1@155.53,56.095 v1(157.201,56.095)
  BottomLayer w0.3: v1(157.2,43.975) v1(157.201,56.095)
S10: C11.1 IC4.8 R44.2 R48.1 U2.21 | length 112.4
  TopLayer w0.3: U2.21@109.055,54.159 109.055,48.431 114.494,42.991 v1@160.1,42.991 ; IC4.8@145.001,67.719 C11.1@147.214,67.719 147.214,69.84 147.858,70.484 152.034,70.484 152.916,71.366 R44.2@152.916,74.944 R48.1@155.53,74.944 v1(160.1,74.944)
  BottomLayer w0.3: v1(160.1,42.962) v1(160.1,74.944)
S11: C12.1 IC4.14 R43.1 R47.1 U2.20 | length 70.5
  TopLayer w0.3: U2.20@108.405,54.159 108.405,47.103 v1(108.925,46.582) ; v1(109.975,74.944) R47.1@126.778,74.944 R43.1@129.391,74.944 129.391,71.174 130.081,70.484 134.23,70.484 134.756,69.958 C12.1@134.756,67.719 IC4.14@137.371,67.719
  BottomLayer w0.3: v1(108.925,46.582) 108.925,63.725 109.975,64.775 v1(109.975,74.944)
S12: C13.1 IC2.1 R69.2 R70.2 U2.19 | length 74.1
  TopLayer w0.3: U2.19@107.755,54.159 107.755,45.2 109.726,43.228 v1(112.364,43.228) ; v1(112.35,13.675) 112.386,13.639 R69.2@126.778,13.639 R70.2@129.391,13.639 129.391,17.016 130.175,17.8 134.55,17.8 134.962,18.212 C13.1@134.962,19.444 137.342,19.444 IC2.1@137.371,19.416
  BottomLayer w0.3: v1(112.35,13.675) 112.364,13.689 v1(112.364,43.228)
S13: C14.1 IC2.7 R79.1 R80.1 U2.18 | length 108.7
  TopLayer w0.3: U2.18@107.105,54.159 107.105,44.3 109.23,42.175 157.559,42.175 158.875,40.859 158.875,14.679 157.836,13.639 R80.1@155.53,13.639 R79.1@152.916,13.639 152.916,17.059 152.25,17.725 147.975,17.725 147.556,18.144 C14.1@147.556,19.444 145.019,19.444 IC2.7@144.991,19.416
S14: C15.1 IC2.8 R21.1 R22.1 U2.17 | length 89.8
  TopLayer w0.3: U2.17@106.455,54.159 106.455,43.62 108.8,41.275 156.95,41.275 157.632,40.593 157.632,32.893 157.227,32.488 R22.1@155.53,32.488 R21.1@152.916,32.488 152.916,28.316 152.2,27.6 148.05,27.6 147.456,27.006 C15.1@147.456,25.416 IC2.8@145.001,25.416
S15: C16.1 IC2.14 R12.1 R13.1 U2.16 | length 57.8
  TopLayer w0.3: U2.16@105.805,54.159 105.805,35.195 108.512,32.488 R12.1@126.778,32.488 R13.1@129.391,32.488 129.391,28.534 130.325,27.6 134.25,27.6 134.962,26.888 C16.1@134.962,25.416 IC2.14@137.371,25.416
SEL0: TP6.1 U1.19 U2.10 | length 19
  TopLayer w0.3: U1.19@88.264,61.518 95.724,61.518 97.022,62.816 TP6.1@99.316,62.816 104.799,62.816 105.155,62.46 U2.10@105.155,61.059
SEL1: TP1.1 U1.18 U2.11 | length 18.9
  TopLayer w0.3: U1.18@88.264,60.248 91.96,60.248 93.6,58.609 TP1.1@99.316,58.609 103.755,58.609 104.505,59.358 U2.11@104.505,61.059
SEL2: TP2.1 U1.17 U2.14 | length 27
  TopLayer w0.3: U1.17@88.264,58.978 90.722,58.978 93.623,56.077 103.998,56.077 104.124,55.951 104.505,55.57 U2.14@104.505,54.159 104.505,52.455 104.275,52.225 101.654,52.225 TP2.1@99.316,49.887
SEL3: TP3.1 U1.16 U2.13 | length 17.1
  TopLayer w0.3: U1.16@88.264,57.708 90.367,57.708 93.916,54.159 TP3.1@99.316,54.159 U2.13@103.855,54.159
SIG1: R99.2 R100.2 R101.2 R102.2 R103.2 R104.2 R105.2 R106.2 TP4.1 U2.1 | length 190.3
  TopLayer w0.3: R99.2@20.746,41.894 R104.2@20.746,39.586 R105.2@20.746,37.277 R106.2@20.746,34.969 R103.2@20.746,32.661 R102.2@20.746,30.353 R101.2@20.746,28.045 R100.2@20.746,25.736 20.746,5.704 22.475,3.975 45.1,3.975 46.825,5.7 v1(113.75,5.7) ; U2.1@111.005,61.059 v1(112.995,61.059) 114.985,61.059 TP4.1@114.998,61.046
  BottomLayer w0.3: v1(112.995,61.059) 113.75,60.304 v1(113.75,5.7)
VREF1.8: P9.32 R130.1 | length 33.9
  TopLayer w0.5: P9.32@12.325,42.205 16.105,42.205 17.425,43.525 21.625,43.525 22.277,42.873 22.277,23.68 23.35,22.606 R130.1@25.744,22.606
  other v2: 10.795,42.205
pads on no net: H2.0 IC5.7 IC5.8 IC5.14 J1.2 J1.3 J1.6 J4.2 J4.6 P8.3 P8.4 P8.5 P8.6 P8.13 P8.15 P8.17 P8.19 P8.20 P8.21 P8.22 P8.23 P8.24 P8.25 P8.26 P8.27 P8.28 P8.29 P8.30 P8.31 P8.32 P8.33 P8.34 P8.35 P8.36 P8.37 P8.38 P8.39 P8.40 P8.41 P8.42 P8.43 P8.44 P8.45 P8.46 P8.47 P8.48 P8.49 P8.50 P9.9 P9.10 P9.18 P9.19 P9.20 P9.21 P9.22 P9.23 P9.25 P9.26 P9.27 P9.28 P9.29 P9.30 P9.31 P9.34 P9.41 P9.42 P9.43 P9.44 P9.45 P9.46 P9.47 P9.48 P9.49 P9.50 R109.1 R112.1 R118.1 U1.6 U1.7 U1.8 U1.9 U1.12 U1.13 U1.14 U1.15 U3.4 U3.5 U3.6 U3.7 U3.10 U3.11 U3.12 U3.13 U4.3 U4.4 U4.5 U4.7 U4.10 U4.12 U4.13 U4.14
copper on no net:
  other v2: 8.255,19.345 10.795,19.345 57.531,19.345 60.071,19.345 8.255,21.885 10.795,21.885 57.531,21.885 60.071,21.885 8.255,24.425 10.795,24.425 57.531,24.425 60.071,24.425 8.255,26.965 10.795,26.965 57.531,26.965 60.071,26.965 8.255,29.505 10.795,29.505 57.531,29.505 60.071,29.505 57.531,32.045 60.071,32.045 57.531,34.585 60.071,34.585 57.531,37.125 60.071,37.125 10.795,39.665 57.531,39.665 60.071,39.665 8.255,42.205 57.531,42.205 60.071,42.205 8.255,44.745 10.795,44.745 57.531,44.745 60.071,44.745 8.255,47.285 10.795,47.285 57.531,47.285 60.071,47.285 8.255,49.825 10.795,49.825 57.531,49.825 60.071,49.825 8.255,52.365 57.531,52.365 60.071,52.365 8.255,54.905 10.795,54.905 57.531,54.905 60.071,54.905 8.255,57.445 10.795,57.445 57.531,57.445 60.071,57.445 10.795,59.985 57.531,59.985 57.531,62.525 57.531,65.065 8.255,70.145 10.795,70.145 57.531,75.225 60.071,75.225 57.531,77.765 60.071,77.765

## Polygon pours and split planes (outlines as drawn)
BBB_GND on TopLayer "BBB_GND_L01_P004" (solid, remove dead copper, pour order 4): 213.825,10.35 ccw(c213.825,8.45) 211.925,8.45 211.925,3.028 211.339,3.023 7.95,3.023 7.95,7.75 ccw(c6.063,7.763) 6.075,9.65 5.875,9.65 1.93,9.65 1.93,90.075 5.7,90.075 5.98,90.075 ccw(c5.98,92.35) 8.255,92.35 8.255,97.003 212.45,97.003 212.45,91.838 ccw(c214.688,91.838) 214.688,89.6 218.465,89.6 218.465,10.35
BBB_GND on BottomLayer "BBB_GND_L02_P003" (solid, remove dead copper, pour order 3): 213.825,10.35 ccw(c213.825,8.45) 211.925,8.45 211.925,3.028 211.339,3.023 7.95,3.023 7.95,7.75 ccw(c6.063,7.763) 6.075,9.65 5.875,9.65 1.93,9.65 1.93,90.075 5.7,90.075 5.98,90.075 ccw(c5.98,92.35) 8.255,92.35 8.255,97.003 212.45,97.003 212.45,91.838 ccw(c214.688,91.838) 214.688,89.6 218.465,89.6 218.465,10.35

## Keep-outs
KeepOutLayer:
  lines w0.203: 1.93,8.55 1.93,91.425 6.6,91.425 6.6,97.003 214.45,97.003 214.45,91.425 218.465,91.425 218.465,8.4 213.75,8.4 213.75,3.023 6.575,3.023 6.575,8.55 1.93,8.55

## Other copper
TopLayer:
  pour cut-out: 54.123,79.1 54.123,18.337 63.539,18.337 63.539,79.1
  pour cut-out: 4.847,79.1 4.847,18.337 14.263,18.337 14.263,79.1
  text "'.Layer_Name'" at 187.556,-11.738 h5
BottomLayer:
  pour cut-out: 54.123,79.1 54.123,18.337 63.539,18.337 63.539,79.1
  pour cut-out: 4.847,79.1 4.847,18.337 14.263,18.337 14.263,79.1
  text "'.Layer_Name'" at 210.556,-17.738 h5

## Silkscreen, mask and mechanical layers (free items; w line width, h text height)
TopOverlay:
  circle w0.254: c217.424,94.412 r2.857
  circle w0.254: c216.637,5.512 r2.857
  circle w0.254: c3.556,94.412 r2.857
  circle w0.254: c3.556,5.512 r2.857
  rectangle: 103.2,92.71 122.25,97.79
  rectangle: 103.2,86.385 122.25,91.465
  text "S/N" at 97.587,94.056 h1.91
  text "REV" at 97.663,87.757 h1.91
Mechanical1:
  the board outline again, w0.5
DrillDrawing:
  text ".Legend" at 234.137,2.921 h5

## Dimensions
3.556,5.512 to 3.556,94.412 on Mechanical1
3.556,94.412 to 217.424,94.412 on Mechanical1
0,100 to 0,0 on Mechanical1
0,100 to 219.964,100 on Mechanical1
3.556,-0.508 to 0,0 on Mechanical4
-0.508,5.512 to 0,0 on Mechanical4

## Text inside footprints (layer, text, board x,y; h text height)
D03: TopOverlay "K" at 41.265,16.271 h2 r90
H2: TopOverlay "1" at 189.343,97.094 h1.5 r270
J1: TopOverlay "1" at 49.472,25.836 h1.6 r90
J2: TopOverlay "1" at 49.472,45.698 h1.6 r90
J4: TopOverlay "1" at 15.171,59.788 h1.6 r270
LED1: TopOverlay "K" at 31.961,94.243 h1.8 r270; TopOverlay "A" at 31.971,86.183 h1.8 r270
LED2: TopOverlay "A" at 38.43,86.183 h1.8 r270; TopOverlay "K" at 38.42,94.243 h1.8 r270
P4: TopOverlay "1" at 33.151,5.126 h1.6
P8: TopOverlay "50" at 63.625,18.832 h1.5; TopOverlay "49" at 52.703,18.832 h1.5; TopOverlay "2" at 63.545,79.888 h1.5; TopOverlay "1" at 53.489,79.862 h1.5
P9: TopOverlay "1" at 4.213,79.862 h1.5; TopOverlay "2" at 14.269,79.888 h1.5; TopOverlay "49" at 3.427,18.832 h1.5; TopOverlay "50" at 14.349,18.832 h1.5